# KiCad board raw.kicad_pcb (continued)
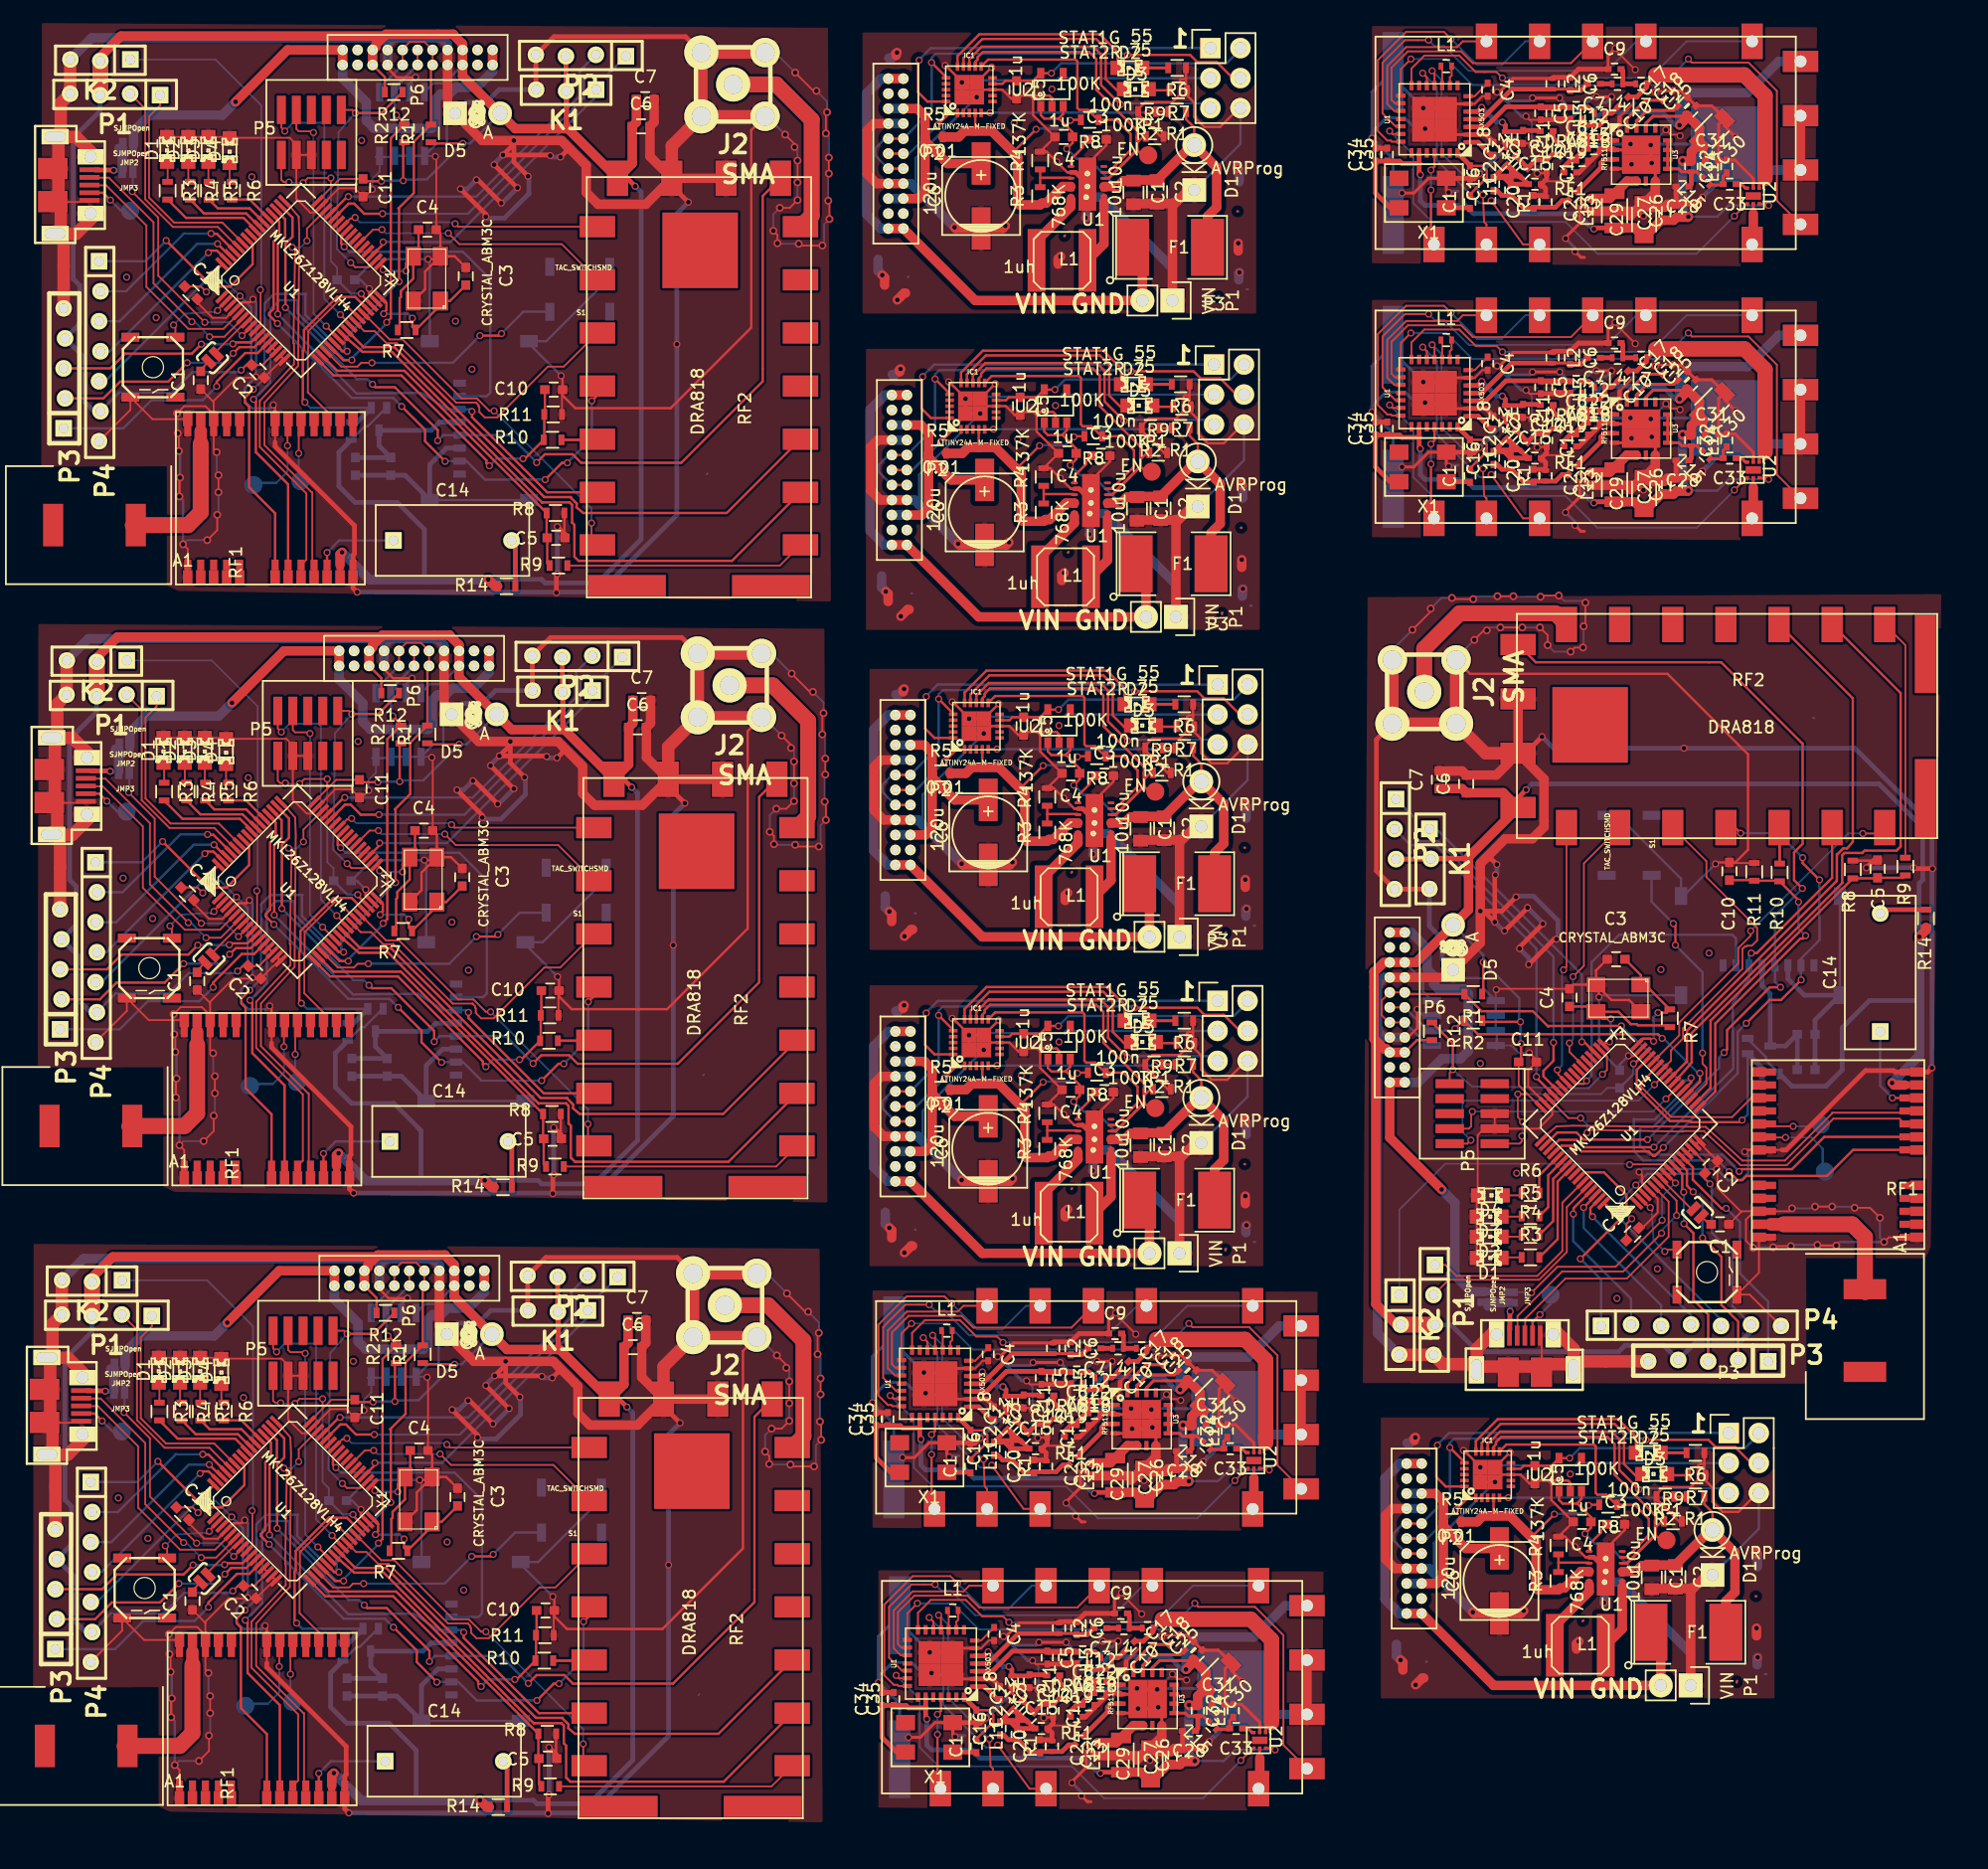
[diagram p0: board, top side]
## Nets (continued)
Net-(C24-Pad2): C24.2 C24#2.2 C24#3.2 C24#4.2 L13.2 L13#2.2 L13#3.2 L13#4.2 U3#5.5 U3#5.6 U3#6.5 U3#6.6 U3#7.5 U3#7.6 U3#8.5 U3#8.6
Net-(C28-Pad1): C28.1 C28#2.1 C28#3.1 C28#4.1 L14.2 L14#2.2 L14#3.2 L14#4.2 L15.2 L15#2.2 L15#3.2 L15#4.2 U3#5.9 U3#5.10 U3#5.11 U3#5.12 U3#6.9 U3#6.10 U3#6.11 U3#6.12 U3#7.9 U3#7.10 U3#7.11 U3#7.12 U3#8.9 U3#8.10 U3#8.11 U3#8.12
Net-(C32-Pad1): C32.1 C32#2.1 C32#3.1 C32#4.1 C33.2 C33#2.2 C33#3.2 C33#4.2 L15.1 L15#2.1 L15#3.1 L15#4.1
Net-(D1-Pad1): D1#6.1 D1#7.1 D1#8.1 D1#9.1 R3#6.1 R3#7.1 R3#8.1 R3#9.1
Net-(D2-Pad1): D2.1 D2#2.1 D2#3.1 D2#4.1 D2#5.1 D2#6.1 D2#7.1 D2#8.1 D2#9.1 IC1.15 IC1#2.15 IC1#3.15 IC1#4.15 IC1#5.15 R4#6.1 R4#7.1 R4#8.1 R4#9.1
Net-(D2-Pad2): D2.2 D2#2.2 D2#3.2 D2#4.2 D2#5.2 R6.2 R6#2.2 R6#3.2 R6#4.2 R6#5.2
Net-(D3-Pad1): D3.1 D3#2.1 D3#3.1 D3#4.1 D3#5.1 D3#6.1 D3#7.1 D3#8.1 D3#9.1 IC1.14 IC1#2.14 IC1#3.14 IC1#4.14 IC1#5.14 R5#6.1 R5#7.1 R5#8.1 R5#9.1
Net-(D3-Pad2): D3.2 D3#2.2 D3#3.2 D3#4.2 D3#5.2 R7.2 R7#2.2 R7#3.2 R7#4.2 R7#5.2
Net-(D4-Pad1): D4.1 D4#2.1 D4#3.1 D4#4.1 R6#6.1 R6#7.1 R6#8.1 R6#9.1
Net-(IC1-Pad2): IC1.2 IC1#2.2 IC1#3.2 IC1#4.2 IC1#5.2
Net-(IC1-Pad13): IC1.13 IC1#2.13 IC1#3.13 IC1#4.13 IC1#5.13 P3.5 P3#2.5 P3#3.5 P3#4.5 P3#5.5
Net-(IC1-Pad20): IC1.20 IC1#2.20 IC1#3.20 IC1#4.20 IC1#5.20 P3.1 P3#2.1 P3#3.1 P3#4.1 P3#5.1
Net-(J2-Pad1): J2.1 J2#2.1 J2#3.1 J2#4.1 RF2.12 RF2#2.12 RF2#3.12 RF2#4.12
Net-(JMP1-Pad1): JMP1.1 JMP1#2.1 JMP1#3.1 JMP1#4.1 U1#6.7 U1#7.7 U1#8.7 U1#9.7
Net-(JMP2-Pad1): JMP2.1 JMP2#2.1 JMP2#3.1 JMP2#4.1 JMP3.1 JMP3#2.1 JMP3#3.1 JMP3#4.1 U3.1 U3#2.1 U3#3.1 U3#4.1
Net-(L1-Pad1): L1.1 L1#2.1 L1#3.1 L1#4.1 L1#5.1 L1#6.1 L1#7.1 L1#8.1 L1#9.1 U1.8 U1.9 U1#2.8 U1#2.9 U1#3.8 U1#3.9 U1#4.8 U1#4.9 U1#5.8 U1#5.9 U1#10.10 U1#11.10 U1#12.10 U1#13.10
Net-(L1-Pad2): L1.2 L1#2.2 L1#3.2 L1#4.2 L1#5.2 L1#6.2 L1#7.2 L1#8.2 L1#9.2 U1.6 U1.7 U1#2.6 U1#2.7 U1#3.6 U1#3.7 U1#4.6 U1#4.7 U1#5.6 U1#5.7 U1#10.9 U1#11.9 U1#12.9 U1#13.9
Net-(L12-Pad2): L12.2 L12#2.2 L12#3.2 L12#4.2 U3#5.1 U3#6.1 U3#7.1 U3#8.1
Net-(P2-Pad3): P2.3 P2#2.3 P2#3.3 P2#4.3 P2#5.3
Net-(P2-Pad4): P2.4 P2#2.4 P2#3.4 P2#4.4 P2#5.4
Net-(P2-Pad19): P2.19 P2#2.19 P2#3.19 P2#4.19 P2#5.19
Net-(P2-Pad20): P2.20 P2#2.20 P2#3.20 P2#4.20 P2#5.20
Net-(P7-Pad1): P7.1 P7#2.1 P7#3.1 P7#4.1 RF1.5 RF1#2.5 RF1#3.5 RF1#4.5
Net-(P8-Pad1): P8.1 P8#2.1 P8#3.1 P8#4.1 RF1.6 RF1#2.6 RF1#3.6 RF1#4.6
Net-(P10-Pad1): P10.1 P10#2.1 P10#3.1 P10#4.1 U3.4 U3#2.4 U3#3.4 U3#4.4
Net-(R3-Pad2): R3.2 R3#2.2 R3#3.2 R3#4.2 R3#5.2 R4.1 R4#2.1 R4#3.1 R4#4.1 R4#5.1 U1.3 U1#2.3 U1#3.3 U1#4.3 U1#5.3
Net-(R9-Pad1): R9#6.1 R9#7.1 R9#8.1 R9#9.1 RF2.18 RF2#2.18 RF2#3.18 RF2#4.18
Net-(R10-Pad2): R10.2 R10#2.2 R10#3.2 R10#4.2 RF2.3 RF2#2.3 RF2#3.3 RF2#4.3
Net-(RF1-Pad2): RF1.2 RF1#2.2 RF1#3.2 RF1#4.2
Net-(RF1-Pad4): RF1.4 RF1#2.4 RF1#3.4 RF1#4.4
Net-(RF1-Pad8): RF1.8 RF1#2.8 RF1#3.8 RF1#4.8
Net-(RF1-Pad9): RF1.9 RF1#2.9 RF1#3.9 RF1#4.9
Net-(RF1-Pad12): RF1#5.12 RF1#6.12 RF1#7.12 RF1#8.12 U2#6.2 U2#7.2 U2#8.2 U2#9.2
Net-(RF1-Pad14): RF1.14 RF1#2.14 RF1#3.14 RF1#4.14
Net-(U1-Pad14): U1.14 U1#2.14 U1#3.14 U1#4.14 U1#5.14

Pads without a net: A1 1; A1#2 1; A1#3 1; A1#4 1; IC1 6 7 10 17 18 19; IC1#2 6 7 10 17 18 19; IC1#3 6 7 10 17 18 19; IC1#4 6 7 10 17 18 19; IC1#5 6 7 10 17 18 19; J1 1 8; J1#2 1 8; J1#3 1 8; J1#4 1 8; P5 6 7 8 9; P5#2 6 7 8 9; P5#3 6 7 8 9; P5#4 6 7 8 9; P6 3 4 19 20; P6#2 3 4 19 20; P6#3 3 4 19 20; P6#4 3 4 19 20; RF1 1 15 16 17; RF1#2 1 15 16 17; RF1#3 1 15 16 17; RF1#4 1 15 16 17; RF2 13 14 15 P1 P2 P3; RF2#2 13 14 15 P1 P2 P3; RF2#3 13 14 15 P1 P2 P3; RF2#4 13 14 15 P1 P2 P3; S1 2 3; S1#2 2 3; S1#3 2 3; S1#4 2 3; S2 2 3; S2#2 2 3; S2#3 2 3; S2#4 2 3; U1#6 1 36 37 39 40 43 57; U1#7 1 36 37 39 40 43 57; U1#8 1 36 37 39 40 43 57; U1#9 1 36 37 39 40 43 57; U1#10 8 13 18 22 24 26 27; U1#11 8 13 18 22 24 26 27; U1#12 8 13 18 22 24 26 27; U1#13 8 13 18 22 24 26 27; U2 4; U2#2 4; U2#3 4; U2#4 4; U2#5 4; U2#6 PAD; U2#7 PAD; U2#8 PAD; U2#9 PAD; U3#5 7 13; U3#6 7 13; U3#7 7 13; U3#8 7 13; X1#5 1; X1#6 1; X1#7 1; X1#8 1

## Via types
v1: diameter 0.6, hole 0.4, Top to Bottom, 834 vias
v2: diameter 0.66, hole 0.4, Top to Bottom, 116 vias

## Routing (per net, layer and track width the routed paths; a pad name or vN(x,y) marks a point on that pad's centre or on a via; arc(x,y) is an arc through that point)
+3.3V: length 1579.9
  Top w0.152: 140.88,53.7 140.42,54.16 C2#9.2 140.42,55.53 U1#9.14 U1#9.13 ; 15.73,19.23 16.18,19.68 C2#8.2 17.55,19.68 U1#8.14 U1#8.13 ; 16.12,71.73 16.58,72.18 C2#7.2 17.95,72.18 U1#7.14 U1#7.13 ; 16.43,122.63 16.88,123.08 C2#6.2 18.25,123.08 U1#6.14 U1#6.13 ; v1(134.23,50.78) 133.77,50.32 C13#4.1 ; v1(12.8,25.88) 12.34,26.33 C13#3.1 ; v1(13.2,78.38) 12.74,78.83 C13#2.1 ; v1(13.5,129.28) 13.04,129.73 C13.1 ; 125.4,61.33 126.51,60.22 U1#9.48 ; 125.4,61.33 v1(124.58,61.33) 124.58,59.38 v1(124.98,58.98) ; 125.4,61.33 124.65,62.08 C11#4.1 ; 23.35,34.7 22.24,33.59 U1#8.48 ; 23.35,34.7 v1(23.35,35.53) 21.4,35.53 v1(21,35.12) ; 23.35,34.7 24.1,35.45 C11#3.1 ; 23.75,87.2 22.64,86.09 U1#7.48 ; 23.75,87.2 v1(23.75,88.03) 21.8,88.03 v1(21.4,87.63) ; 23.75,87.2 24.5,87.95 C11#2.1 ; 24.05,138.1 22.94,136.99 U1#6.48 ; 24.05,138.1 v1(24.05,138.93) 22.1,138.93 v1(21.7,138.53) ; 24.05,138.1 24.8,138.85 C11.1 ; v1(124.93,57.78) 124.93,57.33 124.73,57.13 P5#4.1 ; v1(19.8,35.18) 19.35,35.18 19.16,35.37 P5#3.1 ; v1(20.2,87.68) 19.75,87.68 19.55,87.87 P5#2.1 ; v1(20.5,138.58) 20.05,138.58 19.86,138.77 P5.1 ; 158.3,62.2 RF1#4.23 RF1#4.23 ; RF1#2.23 RF1#2.23 24.62,54.3 ; RF1#3.23 RF1#3.23 24.23,1.8 ; 24.93,105.2 RF1.23 RF1.23
  Top w0.2: 120.4,81.4 117.37,81.4 K1#4.2 114.29,81.25 P2#9.3 ; 43.43,39.7 43.43,42.74 K1#3.2 43.27,45.82 P2#8.3 ; 43.83,92.2 43.83,95.24 K1#2.2 43.68,98.32 P2#7.3 ; 44.12,143.1 44.12,146.14 K1.2 43.98,149.22 P2#6.3 ; R12#4.2 116.04,65.9 P6#4.18 ; R12#3.2 27.93,44.06 P6#3.18 ; R12#2.2 28.33,96.56 P6#2.18 ; R12.2 28.62,147.46 P6.18 ; 121.75,67.35 R2#9.1 121.65,67.45 v1(124.8,67.45) ; 29.38,38.35 R2#8.1 29.48,38.45 v1(29.48,35.3) ; 29.77,90.85 R2#7.1 29.88,90.95 v1(29.88,87.8) ; 30.08,141.75 R2#6.1 30.18,141.85 v1(30.18,138.7) ; v1(124.85,65.6) 124.85,64.25 C11#4.1 ; v1(27.62,35.25) 26.27,35.25 C11#3.1 ; v1(28.02,87.75) 26.68,87.75 C11#2.1 ; v1(28.33,138.65) 26.98,138.65 C11.1 ; v1(121.65,72.5) 121.65,69.9 R1#9.1 ; v1(34.52,38.45) 31.93,38.45 R1#8.1 ; v1(34.93,90.95) 32.33,90.95 R1#7.1 ; v1(35.23,141.85) 32.62,141.85 R1#6.1 ; v1(134.38,63.9) 134.46,63.9 U1#9.30 ; v1(25.93,25.73) 25.93,25.64 U1#8.30 ; v1(26.33,78.23) 26.33,78.14 U1#7.30 ; v1(26.62,129.12) 26.62,129.04 U1#6.30 ; v1(134.58,53.63) 135.38,52.83 U1#9.3 ; v1(15.65,25.53) 14.85,24.73 U1#8.3 ; v1(16.05,78.03) 15.25,77.23 U1#7.3 ; v1(16.35,128.93) 15.55,128.13 U1#6.3 ; v1(140.85,53.73) 140.88,53.7 ; v1(15.75,19.25) 15.73,19.23 ; v1(16.15,71.75) 16.12,71.73 ; v1(16.45,122.65) 16.43,122.63 ; v1(145.82,113.4) 145.69,113.54 U2#9.3 ; v1(145.82,136.6) 145.69,136.74 U2#8.3 ; v1(104.03,5.8) 103.88,5.94 U2#7.3 ; v1(103.53,29.5) 103.38,29.64 U2#6.3
  Top w0.25: 139.96,119.98 C25#4.1 138.78,120.95 136.03,120.95 135.42,120.35 U3#8.14 ; 139.96,143.18 C25#3.1 138.78,144.15 136.03,144.15 135.42,143.55 U3#7.14 ; 98.16,12.38 C25#2.1 96.97,13.35 94.22,13.35 93.62,12.75 U3#6.14 ; 97.66,36.08 C25.1 96.47,37.05 93.72,37.05 93.12,36.45 U3#5.14 ; 139.28,117.95 C30.2 140.47,118.13 C31#4.1 ; 139.28,141.15 C30#4.2 140.47,141.33 C31#3.1 ; 97.47,10.35 C30#3.2 98.68,10.53 C31#2.1 ; 96.97,34.05 C30#2.2 98.18,34.23 C31.1
  Top w0.4: v1(125.28,87.1) 124.6,86.43 RF2#4.8 ; v1(49.13,34.83) 48.45,35.5 RF2#3.8 ; v1(49.52,87.33) 48.85,88 RF2#2.8 ; v1(49.82,138.23) 49.15,138.9 RF2.8 ; 120.4,81.4 120.25,81.25 K1#4.2 117.2,81.23 P2#9.3 ; 43.43,39.7 43.27,39.85 K1#3.2 43.26,42.91 P2#8.3 ; 43.83,92.2 43.68,92.35 K1#2.2 43.66,95.41 P2#7.3 ; 44.12,143.1 43.98,143.25 K1.2 43.95,146.31 P2#6.3 ; 116.22,117 116.28,116.95 114.78,116.95 114.57,117.15 C35#4.1 C34#4.1 112.53,114.45 113.78,113.2 X1#8.4 ; 116.22,117 U1#13.23 ; 116.22,117 116.22,116.1 v1(116.32,116) ; 116.22,140.2 116.28,140.15 114.78,140.15 114.57,140.35 C35#3.1 C34#3.1 112.53,137.65 113.78,136.4 X1#7.4 ; 116.22,140.2 U1#12.23 ; 116.22,140.2 116.22,139.3 v1(116.32,139.2) ; 74.42,9.4 74.47,9.35 72.97,9.35 72.78,9.55 C35#2.1 C34#2.1 70.72,6.85 71.97,5.6 X1#6.4 ; 74.42,9.4 U1#11.23 ; 74.42,9.4 74.42,8.5 v1(74.53,8.4) ; 73.92,33.1 73.97,33.05 72.47,33.05 72.28,33.25 C35.1 C34.1 70.22,30.55 71.47,29.3 X1#5.4 ; 73.92,33.1 U1#10.23 ; 73.92,33.1 73.92,32.2 v1(74.03,32.1) ; v1(131.03,111.4) 131.12,111.5 L13#4.1 ; v1(131.03,134.6) 131.12,134.7 L13#3.1 ; v1(89.22,3.8) 89.32,3.9 L13#2.1 ; v1(88.72,27.5) 88.82,27.6 L13.1 ; v1(129.82,119.4) 130.03,119.2 L12#4.1 130.47,119.1 C22#4.1 130.28,118.2 129.47,117.4 C21#4.1 129.03,117.2 128.47,116.65 C19#4.1 ; v1(129.82,142.6) 130.03,142.4 L12#3.1 130.47,142.3 C22#3.1 130.28,141.4 129.47,140.6 C21#3.1 129.03,140.4 128.47,139.85 C19#3.1 ; v1(88.03,11.8) 88.22,11.6 L12#2.1 88.68,11.5 C22#2.1 88.47,10.6 87.68,9.8 C21#2.1 87.22,9.6 86.68,9.05 C19#2.1 ; v1(87.53,35.5) 87.72,35.3 L12.1 88.18,35.2 C22.1 87.97,34.3 87.18,33.5 C21.1 86.72,33.3 86.18,32.75 C19.1
  Top w0.8: C6#5.1 120.17,22.85 118.28,24.75 R5#4.1 ; C6#4.1 76.87,59.45 74.97,61.35 R5#5.1 ; C6#3.1 76.87,86.25 74.97,88.15 R5#3.1 ; C6#2.1 76.57,113.35 74.68,115.25 R5#2.1 ; C6.1 76.27,140.15 74.38,142.05 R5.1 ; P2#5.6 117.62,27.5 118.28,26.85 R5#4.1 ; P2#4.6 74.32,64.1 74.97,63.45 R5#5.1 ; P2#3.6 74.32,90.9 74.97,90.25 R5#3.1 ; P2#2.6 74.03,118 74.68,117.35 R5#2.1 ; P2.6 73.72,144.8 74.38,144.15 R5.1 ; P2#5.18 117.7,19.88 118.28,20.45 R5#4.1 ; P2#4.18 74.41,56.48 74.97,57.05 R5#5.1 ; P2#3.18 74.41,83.28 74.97,83.85 R5#3.1 ; P2#2.18 74.1,110.38 74.68,110.95 R5#2.1 ; P2.18 73.81,137.18 74.38,137.75 R5.1 ; C7#4.1 119.85,87.2 C6#9.1 123.35,86.85 RF2#4.8 120.4,81.4 120.4,76.94 115.94,72.48 P6#4.6 P6#4.5 113.23,72.48 112.45,71.7 112.4,71.7 112.4,66 112.55,65.85 ; C7#3.1 49.23,40.25 C6#8.1 48.88,36.75 RF2#3.8 43.43,39.7 38.97,39.7 34.51,44.16 P6#3.6 P6#3.5 34.51,46.87 33.73,47.65 33.73,47.7 28.02,47.7 27.88,47.55 ; C7#2.1 49.63,92.75 C6#7.1 49.27,89.25 RF2#2.8 43.83,92.2 39.37,92.2 34.91,96.66 P6#2.6 P6#2.5 34.91,99.37 34.12,100.15 34.12,100.2 28.43,100.2 28.27,100.05 ; C7.1 49.93,143.65 C6#6.1 49.57,140.15 RF2.8 44.12,143.1 39.66,143.1 35.2,147.56 P6.6 P6.5 35.2,150.27 34.43,151.05 34.43,151.1 28.73,151.1 28.58,150.95 ; 112.55,65.85 113.25,65.15 113.44,65.15 P6#4.17 P6#4.18 ; 112.55,65.85 112.55,43.55 114.3,41.8 K2#4.2 ; 27.88,47.55 27.18,46.85 27.18,46.66 P6#3.17 P6#3.18 ; 27.88,47.55 5.58,47.55 3.83,45.8 K2#3.2 ; 28.27,100.05 27.58,99.35 27.58,99.16 P6#2.17 P6#2.18 ; 28.27,100.05 5.98,100.05 4.23,98.3 K2#2.2 ; 28.58,150.95 27.88,150.25 27.88,150.06 P6.17 P6.18 ; 28.58,150.95 6.28,150.95 4.53,149.2 K2.2 ; v1(156.28,62.28) 156.45,62.1 RF1#4.23 ; v1(24.3,3.83) 24.12,3.65 RF1#3.23 ; v1(24.7,56.33) 24.52,56.15 RF1#2.23 ; v1(25,107.23) 24.83,107.05 RF1.23 ; v1(158.58,74.65) 159.15,75.23 R14#4.2 ; v1(36.68,1.53) 37.25,0.95 R14#3.2 ; v1(37.08,54.03) 37.65,53.45 R14.2 ; v1(37.38,104.93) 37.95,104.35 R14#2.2 ; v1(139.03,112.45) 138.97,112.4 C26#4.1 137.78,112.15 C27#4.1 136.72,112.15 C29#4.1 134.47,111.5 L13#4.1 ; v1(139.03,135.65) 138.97,135.6 C26#3.1 137.78,135.35 C27#3.1 136.72,135.35 C29#3.1 134.47,134.7 L13#3.1 ; v1(97.22,4.85) 97.18,4.8 C26#2.1 95.97,4.55 C27#2.1 94.93,4.55 C29#2.1 92.68,3.9 L13#2.1 ; v1(96.72,28.55) 96.68,28.5 C26.1 95.47,28.25 C27.1 94.43,28.25 C29.1 92.18,27.6 L13.1 ; v1(138.53,117.2) 138.57,117.15 L14#4.1 139.28,117.95 C30.2 139.96,119.98 C25#4.1 138.89,120.81 v1(138.28,120.2) ; v1(138.53,140.4) 138.57,140.35 L14#3.1 139.28,141.15 C30#4.2 139.96,143.18 C25#3.1 138.89,144.01 v1(138.28,143.4) ; v1(96.72,9.6) 96.78,9.55 L14#2.1 97.47,10.35 C30#3.2 98.16,12.38 C25#2.1 97.09,13.21 v1(96.47,12.6) ; v1(96.22,33.3) 96.28,33.25 L14.1 96.97,34.05 C30#2.2 97.66,36.08 C25.1 96.59,36.91 v1(95.97,36.3)
  Top w1.35: P1#9.3 117.55,41.8 K2#4.2 ; P1#8.3 3.83,42.56 K2#3.2 ; P1#7.3 4.23,95.06 K2#2.2 ; P1#6.3 4.53,145.96 K2.2
  Bottom w0.152: 140.88,53.7 141.03,53.55 ; 15.73,19.23 15.58,19.08 ; 16.12,71.73 15.98,71.58 ; 16.43,122.63 16.27,122.48 ; v1(134.23,50.78) 133.23,51.78 133.23,52.28 v1(134.58,53.63) ; v1(12.8,25.88) 13.8,26.88 14.3,26.88 v1(15.65,25.53) ; v1(13.2,78.38) 14.2,79.38 14.7,79.38 v1(16.05,78.03) ; v1(13.5,129.28) 14.5,130.28 15,130.28 v1(16.35,128.93) ; v1(124.58,61.33) 131.63,61.33 132.15,61.85 C12#8.1 ; v1(23.35,35.53) 23.35,28.48 23.88,27.95 C12#7.1 ; v1(23.75,88.03) 23.75,80.98 24.27,80.45 C12#6.1 ; v1(24.05,138.93) 24.05,131.88 24.58,131.35 C12#5.1 ; v1(124.93,57.78) 124.98,57.83 v1(124.98,58.98) ; v1(19.8,35.18) 19.85,35.12 v1(21,35.12) ; v1(20.2,87.68) 20.25,87.63 v1(21.4,87.63) ; v1(20.5,138.58) 20.55,138.53 v1(21.7,138.53)
  Bottom w0.2: 144.89,41.82 P4#4.6 142.75,43.4 142.75,47.85 141.03,49.58 141.03,53.55 ; 3.84,15.21 P4#3.6 5.42,17.35 9.88,17.35 11.6,19.08 15.58,19.08 ; 4.24,67.71 P4#2.6 5.82,69.85 10.28,69.85 12,71.58 15.98,71.58 ; 4.54,118.61 P4.6 6.12,120.75 10.58,120.75 12.3,122.48 16.27,122.48 ; P6#4.6 116.55,70.93 116.55,70.01 U2#13.8 ; P6#3.6 32.95,43.55 32.03,43.55 U2#12.8 ; P6#2.6 33.36,96.05 32.43,96.05 U2#11.8 ; P6.6 33.66,146.95 32.73,146.95 U2#10.8 ; v1(124.85,65.6) 124.8,65.65 v1(124.8,67.45) 124.7,67.5 124.7,69.45 v1(121.65,72.5) 121.65,73.11 119.11,75.65 ; v1(27.62,35.25) 27.68,35.3 v1(29.48,35.3) 29.52,35.4 31.48,35.4 v1(34.52,38.45) 35.13,38.45 37.68,40.99 ; v1(28.02,87.75) 28.08,87.8 v1(29.88,87.8) 29.93,87.9 31.88,87.9 v1(34.93,90.95) 35.54,90.95 38.08,93.49 ; v1(28.33,138.65) 28.38,138.7 v1(30.18,138.7) 30.23,138.8 32.18,138.8 v1(35.23,141.85) 35.84,141.85 38.38,144.39 ; v1(134.38,63.9) 134.38,63.03 C12#8.1 ; v1(25.93,25.73) 25.05,25.73 C12#7.1 ; v1(26.33,78.23) 25.45,78.23 C12#6.1 ; v1(26.62,129.12) 25.75,129.12 C12#5.1 ; v1(134.58,53.63) 135.53,54.58 140,54.58 v1(140.85,53.73) ; v1(15.65,25.53) 16.6,24.58 16.6,20.1 v1(15.75,19.25) ; v1(16.05,78.03) 17,77.08 17,72.6 v1(16.15,71.75) ; v1(16.35,128.93) 17.3,127.98 17.3,123.5 v1(16.45,122.65) ; R13#4.2 145.6,64.2 145.6,64.45 144.05,66 Q1#4.2 ; R13#3.2 26.23,14.5 26.48,14.5 28.02,16.05 Q1#3.2 ; R13#2.2 26.62,67 26.88,67 28.42,68.55 Q1#2.2 ; R13.2 26.93,117.9 27.18,117.9 28.72,119.45 Q1.2 ; v1(145.82,113.4) 142.42,113.4 141.47,112.45 v1(139.03,112.45) ; v1(145.82,136.6) 142.42,136.6 141.47,135.65 v1(139.03,135.65) ; v1(104.03,5.8) 100.62,5.8 99.68,4.85 v1(97.22,4.85) ; v1(103.53,29.5) 100.12,29.5 99.18,28.55 v1(96.72,28.55)
  Bottom w0.4: 114.69,41.78 K2#4.2 114.23,41.8 ; 3.8,45.42 K2#3.2 3.83,45.88 ; 4.21,97.92 K2#2.2 4.23,98.38 ; 4.51,148.82 K2.2 4.53,149.28 ; P3#9.4 139.6,40.25 143.33,40.25 144.33,41.26 P4#4.6 144.47,41.82 ; P3#9.4 136.93,40.05 133.68,40.05 133.13,39.5 121.2,39.5 118.92,41.78 P1#9.3 ; P3#9.4 137.79,38.82 ; P3#8.4 2.28,20.5 2.28,16.78 3.28,15.77 P4#3.6 3.84,15.64 ; P3#8.4 2.08,23.18 2.08,26.43 1.53,26.98 1.53,38.9 3.8,41.18 P1#8.3 ; P3#8.4 0.84,22.31 ; P3#7.4 2.68,73 2.68,69.28 3.68,68.27 P4#2.6 4.24,68.14 ; P3#7.4 2.48,75.68 2.48,78.93 1.93,79.48 1.93,91.4 4.21,93.68 P1#7.3 ; P3#7.4 1.24,74.81 ; P3#6.4 2.98,123.9 2.98,120.18 3.98,119.17 P4.6 4.54,119.04 ; P3#6.4 2.78,126.58 2.78,129.83 2.23,130.38 2.23,142.3 4.51,144.58 P1#6.3 ; P3#6.4 1.54,125.71 ; v1(125.28,87.1) 125.78,87.6 155.18,87.6 158.88,83.9 158.88,79.48 158.58,79.18 v1(158.58,74.65) ; v1(49.13,34.83) 49.63,34.33 49.63,4.93 45.93,1.23 41.5,1.23 41.2,1.53 v1(36.68,1.53) ; v1(49.52,87.33) 50.02,86.83 50.02,57.43 46.33,53.73 41.9,53.73 41.6,54.03 v1(37.08,54.03) ; v1(49.82,138.23) 50.32,137.73 50.32,108.33 46.62,104.63 42.2,104.63 41.9,104.93 v1(37.38,104.93) ; R13#4.2 147.8,62 150.68,62 152.05,63.38 152.05,66.95 154.35,69.25 158.6,69.25 ; R13#3.2 24.02,12.3 24.02,9.43 25.4,8.05 28.98,8.05 31.27,5.75 31.27,1.5 ; R13#2.2 24.43,64.8 24.43,61.93 25.8,60.55 29.38,60.55 31.68,58.25 31.68,54 ; R13.2 24.73,115.7 24.73,112.83 26.1,111.45 29.68,111.45 31.98,109.15 31.98,104.9 ; v1(116.32,116) 116.32,113.8 116.72,113.4 120.12,113.4 120.82,112.7 129.62,112.7 130.92,111.4 v1(131.03,111.4) ; v1(116.32,139.2) 116.32,137 116.72,136.6 120.12,136.6 120.82,135.9 129.62,135.9 130.92,134.6 v1(131.03,134.6) ; v1(74.53,8.4) 74.53,6.2 74.93,5.8 78.32,5.8 79.03,5.1 87.82,5.1 89.12,3.8 v1(89.22,3.8) ; v1(74.03,32.1) 74.03,29.9 74.43,29.5 77.82,29.5 78.53,28.8 87.32,28.8 88.62,27.5 v1(88.72,27.5) ; v1(129.82,119.4) 131.72,121.3 136.82,121.3 137.92,120.2 v1(138.28,120.2) ; v1(129.82,142.6) 131.72,144.5 136.82,144.5 137.92,143.4 v1(138.28,143.4) ; v1(88.03,11.8) 89.93,13.7 95.03,13.7 96.12,12.6 v1(96.47,12.6) ; v1(87.53,35.5) 89.43,37.4 94.53,37.4 95.62,36.3 v1(95.97,36.3)